# KiCad board ulx4m.kicad_pcb
title: ULX4M-LS; date: 2025-03-12; rev: v0.0.4; company: Intergalaktik d.o.o.; note: License: CERN-OHL-S v2
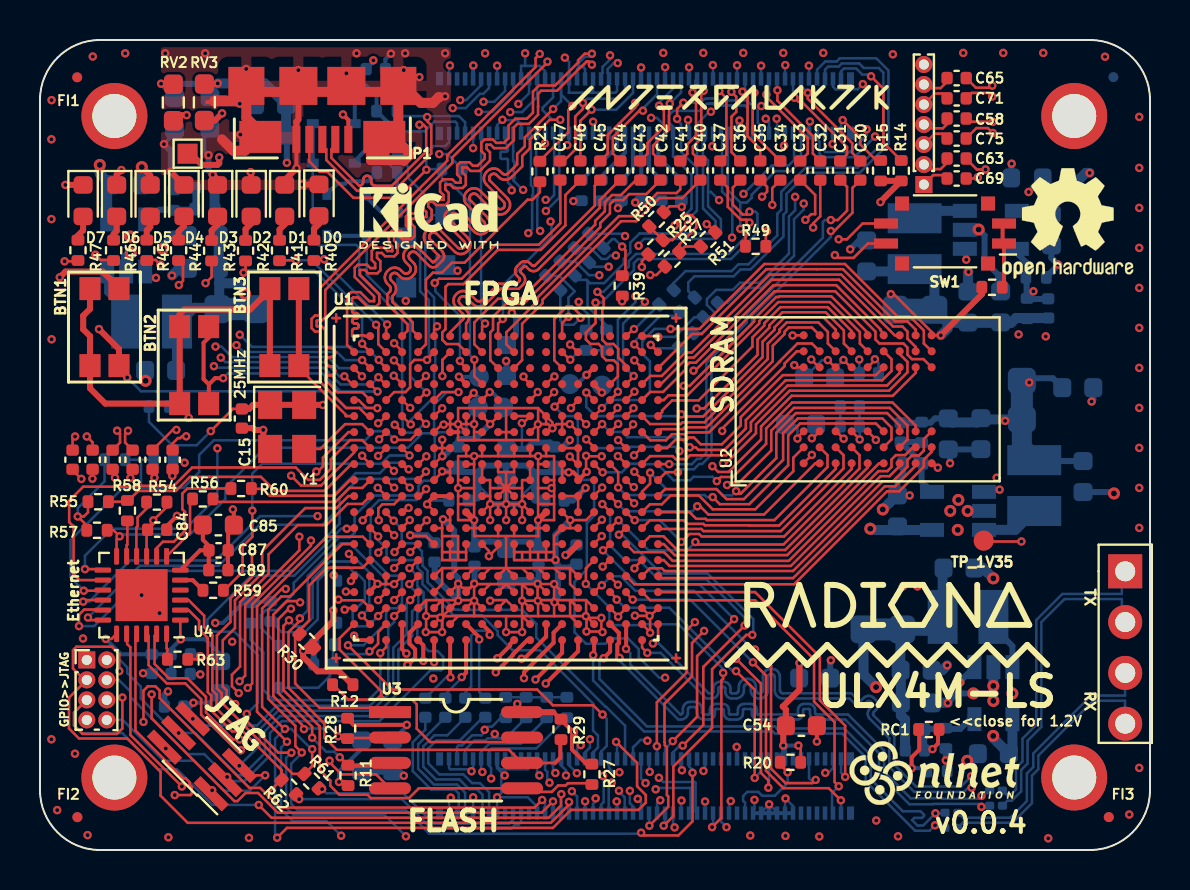
[diagram p0: board, top side]
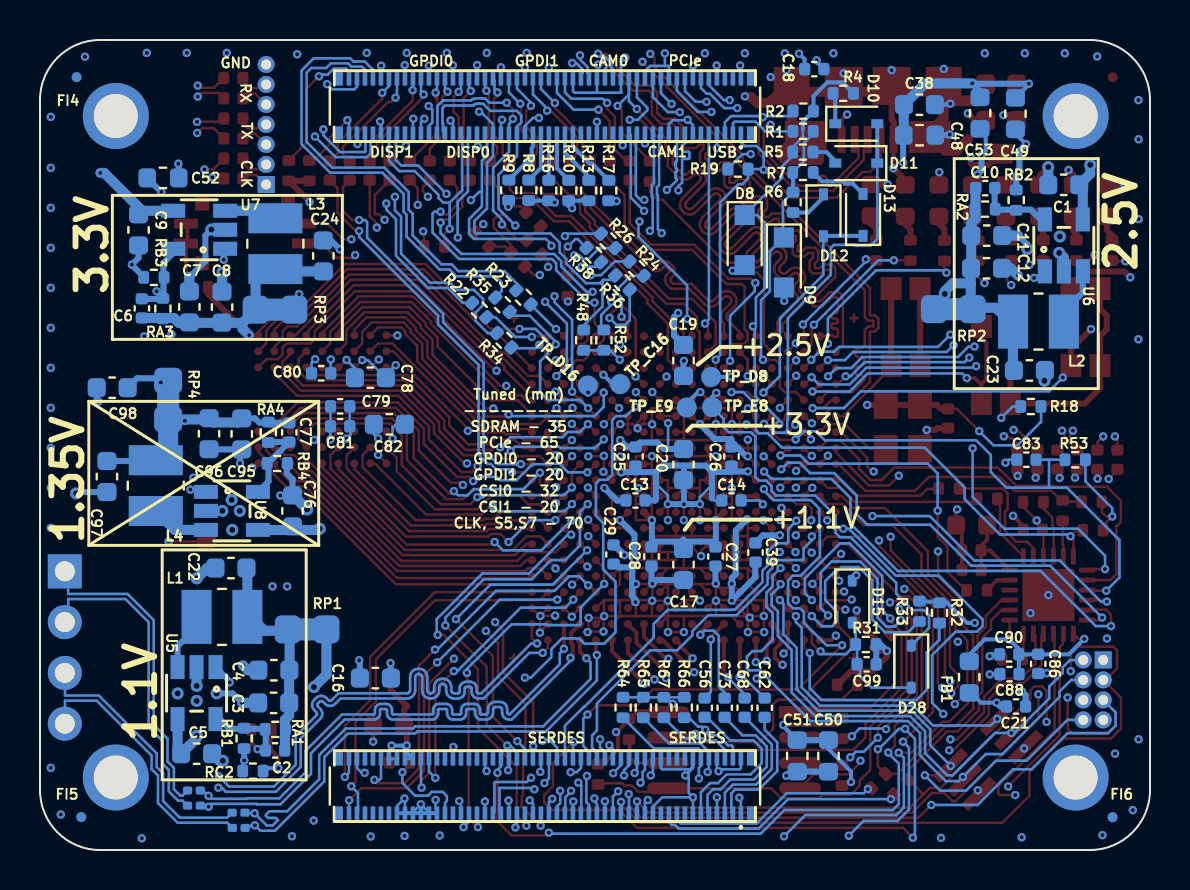
[diagram p1: board, bottom side, seen from below]

Outline 55.51 x 40.5 mm; copper layers: Top, GND1.Cu (plane), In2signal.Cu, POWER.Cu (plane), GND2.Cu (plane), Bottom. Coordinates in mm from the lower left corner of the outline.
Outline path: 0,37.5 arc(0.88,39.62) 3,40.5 52.51,40.5 arc(54.63,39.62) 55.51,37.5 55.51,3 arc(54.63,0.88) 52.51,0 3,0 arc(0.88,0.88) 0,3 0,37.5
Stack: Top 0.035mm / dielectric 0.274mm FR4 er 4.5 / GND1.Cu 0.035mm / dielectric 0.274mm FR4 er 4.5 / In2signal.Cu 0.035mm / dielectric 0.274mm FR4 er 4.5 / POWER.Cu 0.035mm / dielectric 0.274mm FR4 er 4.5 / GND2.Cu 0.035mm / dielectric 0.274mm FR4 er 4.5 / Bottom 0.035mm

## Placement (name value [footprint] x y rotation side)
1.1V_1  1.1V  [TestPoint_Pad_1.0x1.0mm]  7.38 34.81 0 top  (not fitted)
BTN1  SW_Push  [Switch_EVPAA]  3.23 26.14 90 top
BTN2  SW_Push  [Switch_EVPAA]  7.71 24.24 90 top
BTN3  SW_Push  [Switch_EVPAA]  12.22 26.14 90 top
C1  22uF  [C_0603_1608Metric]  4.32 33.26 0 bottom
C2  100pF  [C_0402_1005Metric]  43.75 4.98 0 bottom
C3  22uF  [C_0603_1608Metric]  43.83 7.35 0 bottom
C4  22uF  [C_0603_1608Metric]  43.81 8.99 0 bottom
C5  22uF  [C_0603_1608Metric]  47.68 4.81 180 bottom
C6  100pF  [C_0402_1005Metric]  50.41 27.08 90 bottom
C7  22uF  [C_0603_1608Metric]  48.04 27.15 90 bottom
C8  22uF  [C_0603_1608Metric]  46.41 27.14 90 bottom
C9  22uF  [C_0603_1608Metric]  50.58 31 270 bottom
C10  100pF  [C_0402_1005Metric]  8.24 33.09 180 bottom
C11  22uF  [C_0603_1608Metric]  8.17 30.72 180 bottom
C12  22uF  [C_0603_1608Metric]  8.18 29.08 180 bottom
C13  22nF  [C_0402_1005Metric]  25.73 17.47 180 bottom
C14  22nF  [C_0402_1005Metric]  20.93 17.47 0 bottom
C15  22nF  [C_0402_1005Metric]  10.1 21.57 270 top
C16  2.2uF  [C_0603_1608Metric]  38.74 8.59 0 bottom
C17  2.2uF  [C_0603_1608Metric]  23.33 14.27 270 bottom
C18  22nF  [C_0402_1005Metric]  16.79 39.04 0 bottom
C19  2.2uF  [C_0603_1608Metric]  23.33 24.47 90 bottom
C20  2.2uF  [C_0603_1608Metric]  23.33 19.27 270 bottom
C21  22nF  [C_0402_1005Metric]  6.7 7.17 180 bottom
C22  2.2uF  [C_0603_1608Metric]  45.96 14.1 0 bottom
C23  2.2uF  [C_0603_1608Metric]  6.03 23.98 180 bottom
C24  2.2uF  [C_0603_1608Metric]  41.34 29.7 90 bottom
C25  22nF  [C_0402_1005Metric]  25.73 19.67 270 bottom
C26  22nF  [C_0402_1005Metric]  20.93 19.67 270 bottom
C27  22nF  [C_0402_1005Metric]  21.73 14.67 270 bottom
C28  22nF  [C_0402_1005Metric]  24.93 14.67 270 bottom
C29  22nF  [C_0402_1005Metric]  26.83 14.77 270 bottom
C30  100n  [C_0402_1005Metric]  41.02 33.97 90 top
C31  100n  [C_0402_1005Metric]  40.02 33.97 90 top
C32  100n  [C_0402_1005Metric]  39.02 33.97 90 top
C33  100n  [C_0402_1005Metric]  38.02 33.97 90 top
C34  100n  [C_0402_1005Metric]  37.02 33.97 90 top
C35  100n  [C_0402_1005Metric]  36.02 33.97 90 top
C36  100n  [C_0402_1005Metric]  35.02 33.97 90 top
C37  100n  [C_0402_1005Metric]  34.02 33.97 90 top
C38  2.2uF  [C_0603_1608Metric]  11.53 37.26 180 bottom
C39  22nF  [C_0402_1005Metric]  19.73 14.87 270 bottom
C40  100n  [C_0402_1005Metric]  33.02 33.97 90 top
C41  100n  [C_0402_1005Metric]  32.02 33.97 90 top
C42  100n  [C_0402_1005Metric]  31.02 33.97 90 top
C43  100n  [C_0402_1005Metric]  30.02 33.97 90 top
C44  100n  [C_0402_1005Metric]  29.02 33.97 90 top
C45  100n  [C_0402_1005Metric]  28.02 33.97 90 top
C46  100n  [C_0402_1005Metric]  27.02 33.97 90 top
C47  100n  [C_0402_1005Metric]  26.02 33.97 90 top
C48  22nF  [C_0603_1608Metric]  11.53 35.74 180 bottom
C49  22nF  [C_0603_1608Metric]  6.73 36.81 270 bottom
C50  22nF  [C_0603_1608Metric]  16.08 4.7 270 bottom
C51  22nF  [C_0603_1608Metric]  17.64 4.7 270 bottom
C52  22nF  [C_0603_1608Metric]  49.36 33.6 0 bottom
C53  22nF  [C_0603_1608Metric]  8.5 36.84 270 bottom
C54  2.2uF  [C_0603_1608Metric]  38.08 6.21 0 top
C55  22n  [C_0402_1005Metric]  6.63 19.51 270 top
C56  22n  [C_0402_1005Metric]  22.27 7.11 90 bottom
C58  22n  [C_0402_1005Metric]  45.84 36.57 0 top
C59  22n  [C_0402_1005Metric]  2.63 19.51 270 top
C61  22n  [C_0402_1005Metric]  4.63 19.51 270 top
C62  22n  [C_0402_1005Metric]  19.27 7.11 90 bottom
C63  22n  [C_0402_1005Metric]  45.84 34.57 0 top
C65  22n  [C_0402_1005Metric]  45.84 38.59 0 top
C66  22n  [C_0402_1005Metric]  1.63 19.51 90 top
C67  22n  [C_0402_1005Metric]  3.63 19.51 90 top
C68  22n  [C_0402_1005Metric]  20.27 7.11 270 bottom
C69  22n  [C_0402_1005Metric]  45.84 33.57 180 top
C71  22n  [C_0402_1005Metric]  45.84 37.58 180 top
C72  22n  [C_0402_1005Metric]  5.63 19.51 90 top
C73  22n  [C_0402_1005Metric]  21.27 7.11 270 bottom
C75  22n  [C_0402_1005Metric]  45.84 35.57 180 top
C76  22uF  [C_0603_1608Metric]  42.88 16.95 90 bottom  (not fitted)
C77  100pF  [C_0402_1005Metric]  43.05 20.88 270 bottom  (not fitted)
C78  2.2uF  [C_0603_1608Metric]  38.99 23.61 0 bottom
C79  22nF  [C_0402_1005Metric]  40.5 22.18 180 bottom
C80  22nF  [C_0402_1005Metric]  41.45 23.83 180 bottom
C81  22nF  [C_0402_1005Metric]  40.5 21.18 180 bottom
C82  22nF  [C_0603_1608Metric]  38.04 21.28 180 bottom
C83  100n  [C_0402_1005Metric]  6.18 19.51 180 bottom
C84  100n  [C_0402_1005Metric]  5.86 16.01 0 top
C85  1u1R  [C_0603_1608Metric]  8.92 16.24 0 top
C86  10n  [C_0402_1005Metric]  5.59 9.3 270 bottom
C87  470p  [C_0402_1005Metric]  8.93 14.98 0 top
C88  22n  [C_0402_1005Metric]  7.03 8.79 0 bottom
C89  10n  [C_0402_1005Metric]  8.92 13.99 0 top
C90  100n  [C_0402_1005Metric]  7.04 9.78 0 bottom
C91  22n  [C_0201_0603Metric]  47.81 2.97 180 bottom  (not fitted)
C92  22n  [C_0201_0603Metric]  47.81 2.21 180 bottom  (not fitted)
C93  22n  [C_0201_0603Metric]  45.58 1.86 180 bottom  (not fitted)
C94  22n  [C_0201_0603Metric]  45.57 1.1 180 bottom  (not fitted)
C95  22uF  [C_0603_1608Metric]  45.42 20.8 270 bottom  (not fitted)
C96  22uF  [C_0603_1608Metric]  47.06 20.81 270 bottom  (not fitted)
C97  2.2uF  [C_0603_1608Metric]  52.16 18.67 270 bottom  (not fitted)
C98  2.2uF  [C_0603_1608Metric]  51.9 23.11 0 bottom  (not fitted)
C99  100n  [C_0402_1005Metric]  14.17 9.28 180 bottom
D0  RED  [LED_0603_1608Metric]  13.95 32.49 270 top
D1  ORANGE  [LED_0603_1608Metric]  12.24 32.46 270 top
D2  GREEN  [LED_0603_1608Metric]  10.56 32.46 270 top
D3  BLUE  [LED_0603_1608Metric]  8.88 32.46 270 top
D4  RED  [LED_0603_1608Metric]  7.2 32.46 270 top
D5  ORANGE  [LED_0603_1608Metric]  5.52 32.46 270 top
D6  GREEN  [LED_0603_1608Metric]  3.84 32.46 270 top
D7  BLUE  [LED_0603_1608Metric]  2.16 32.46 270 top
D8  3.6V  [D_SOD-323_HandSoldering]  20.27 30.49 270 bottom
D9  3.6V  [D_SOD-323_HandSoldering]  18.31 29.37 270 bottom
D10  1N914  [D_SOD-323]  14.69 36.31 180 bottom
D11  1N914  [D_SOD-323]  14.69 34.34 0 bottom
D12  1N914  [D_SOD-323]  16.33 31.73 270 bottom
D13  1N914  [D_SOD-323]  14.35 31.75 90 bottom
D15  1N914  [D_SOD-323#2]  14.89 12.41 270 bottom
D28  1N914  [D_SOD-323#2]  11.94 9.16 270 bottom
FB1  30R  [L_0603_1608Metric]  9.04 8.64 90 bottom
FI1  Fi  [Fiducial_0.5mm_Mask1mm]  1.86 38.63 0 top  (not fitted)
FI2  Fi  [Fiducial_0.5mm_Mask1mm]  1.87 1.64 0 top  (not fitted)
FI3  Fi  [Fiducial_0.5mm_Mask1mm]  53.45 1.64 0 top  (not fitted)
FI4  Fi  [Fiducial_0.5mm_Mask1mm]  53.68 38.64 0 bottom  (not fitted)
FI5  Fi  [Fiducial_0.5mm_Mask1mm]  53.45 1.64 0 bottom  (not fitted)
FI6  Fi  [Fiducial_0.5mm_Mask1mm]  1.87 1.63 0 bottom  (not fitted)
G***  LOGO  [nlnet]  44.73 3.84 0 top
G***#2  LOGO  [intergalaktik]  34.48 37.75 0 top
G***#3  LOGO  [kicad2_8mm]  19.4 31.34 0 top
H1  HOLE  [MountingHole_3.2mm_M3_ISO14580_Pad]  51.72 3.62 180 top  (not fitted)
H2  HOLE  [MountingHole_3.2mm_M3_ISO14580_Pad]  3.72 3.62 180 top  (not fitted)
H3  HOLE  [MountingHole_3.2mm_M3_ISO14580_Pad]  51.72 36.7 180 top  (not fitted)
H4  HOLE  [MountingHole_3.2mm_M3_ISO14580_Pad]  3.72 36.7 180 top  (not fitted)
J1  DF40C-100DP-0.4V(51)  [HRS_DF40C-100DP-0.4V(51)]  30.26 3.2 0 bottom
J2  DF40C-100DP-0.4V(51)  [HRS_DF40C-100DP-0.4V(51)]  30.26 37.2 0 bottom
J3  JTAG  [PinHeader_2x03_P1.00mm_Vertical_SMD]  8.1 4.68 135 top  (not fitted)
J4  Antenna  [PinHeader_1x04_P2.54mm_Vertical]  54.27 13.93 0 top  (not fitted)
J5  SerDes  [PinHeader_1x07_P1.00mm_Vertical]  44.2 33.27 180 top  (not fitted)
J6  GPIO>>JTAG  [PinHeader_2x04_P1.00mm_Vertical]  2.34 9.5 0 top  (not fitted)
L1  2.2uH  [L_1008_1210]  46.41 11.65 180 bottom
L2  2.2uH  [L_1008_1210]  5.58 26.42 0 bottom
L3  2.2uH  [L_1008_1210]  43.74 30.31 270 bottom
L4  2.2uH  [L_1008_1210]  49.72 18.22 90 bottom  (not fitted)
P1  USB_OTG  [USB-MICRO-B-FCI-10118192-0001LF]  14.12 38.2 180 top
R1  27R  [R_0402_1005Metric]  17.35 35.93 180 bottom
R2  27R  [R_0402_1005Metric]  17.34 36.94 180 bottom
R4  1k  [R_0402_1005Metric]  15.34 37.83 180 bottom
R5  15k  [R_0402_1005Metric]  17.36 34.89 0 bottom
R6  1k  [R_0402_1005Metric]  17.85 32.38 90 bottom
R7  15k  [R_0402_1005Metric]  17.36 33.88 0 bottom
R8  15k  [R_0402_1005Metric]  31.07 32.98 90 bottom
R9  15k  [R_0402_1005Metric]  32.07 32.98 90 bottom
R10  4k7  [R_0402_1005Metric]  29.07 32.97 90 bottom
R11  15k  [R_0402_1005Metric]  15.41 3.73 90 top
R12  15k  [R_0402_1005Metric]  15.14 8.26 180 top
R13  4k7  [R_0402_1005Metric]  28.07 32.97 90 bottom
R14  4k7  [R_0402_1005Metric]  43.07 33.96 90 top
R15  4k7  [R_0402_1005Metric]  42.04 33.96 90 top
R16  15k  [R_0402_1005Metric]  30.07 32.97 90 bottom
R17  15k  [R_0402_1005Metric]  27.07 32.97 90 bottom
R18  300  [R_0402_1005Metric]  5.96 22.17 180 bottom
R19  4k7  [R_0402_1005Metric]  20.61 34.04 0 bottom
R20  4k7  [R_0402_1005Metric]  37.53 4.38 0 top
R21  300  [R_0402_1005Metric]  25 33.92 270 top
R22  300  [R_0402_1005Metric]  33.54 26.99 225 bottom
R23  300  [R_0402_1005Metric]  31.33 27.63 225 bottom
R24  300  [R_0402_1005Metric]  25.67 29.06 225 bottom
R25  300  [R_0402_1005Metric]  30.79 30.13 225 top
R26  300  [R_0402_1005Metric]  27.1 30.45 225 bottom
R27  15k  [R_0402_1005Metric]  27.6 3.78 270 top
R28  15k  [R_0402_1005Metric]  15.38 6.08 270 top
R29  1k  [R_0402_1005Metric]  26.06 6.03 270 top
R30  4k7  [R_0402_1005Metric]  13.34 10.43 135 top
R31  15k  [R_0402_1005Metric]  14.21 10.27 0 bottom
R32  15k  [R_0402_1005Metric]  10.53 11.85 270 bottom
R33  15k  [R_0402_1005Metric]  11.53 11.93 270 bottom
R34  300  [R_0402_1005Metric]  32.3 25.48 45 bottom
R35  300  [R_0402_1005Metric]  32.38 27.26 45 bottom
R36  300  [R_0402_1005Metric]  26.38 28.36 45 bottom
R37  300  [R_0402_1005Metric]  31.61 29.53 45 top
R38  300  [R_0402_1005Metric]  27.82 29.74 45 bottom
R39  70  [R_0402_1005Metric]  29.12 28.2 270 top
R40  300  [R_0402_1005Metric]  13.7 29.98 90 top
R41  300  [R_0402_1005Metric]  11.98 29.97 90 top
R42  300  [R_0402_1005Metric]  10.28 29.96 90 top
R43  300  [R_0402_1005Metric]  8.59 29.96 90 top
R44  300  [R_0402_1005Metric]  6.93 29.98 90 top
R45  300  [R_0402_1005Metric]  5.34 29.98 90 top
R46  300  [R_0402_1005Metric]  3.68 29.98 90 top
R47  300  [R_0402_1005Metric]  1.9 29.98 90 top
R48  70  [R_0402_1005Metric]  28.32 25.49 270 bottom
R49  70  [R_0402_1005Metric]  35.79 30.18 0 top
R50  70  [R_0402_1005Metric]  30.83 31.53 45 top
R51  70  [R_0402_1005Metric]  33.41 30.53 45 top
R52  70  [R_0402_1005Metric]  27.31 25.49 270 bottom
R53  10K  [R_0402_1005Metric]  3.74 19.51 0 bottom
R54  10R  [R_0402_1005Metric]  5.84 17.39 0 top
R55  1K5  [R_0402_1005Metric]  2.91 17.41 0 top
R56  10R  [R_0402_1005Metric]  8.14 17.55 0 top
R57  1K5  [R_0402_1005Metric]  2.85 15.98 0 top
R58  10R  [R_0402_1005Metric]  4.37 16.96 270 top
R59  33R  [R_0402_1005Metric]  8.66 12.98 0 top
R60  10R  [R_0402_1005Metric]  10.06 18.07 0 top
R61  300  [R_0402_1005Metric]  13.58 3.44 135 top
R62  300  [R_0402_1005Metric]  12.44 3.14 135 top
R63  12K1  [R_0402_1005Metric]  6.88 9.53 0 top
R64  300  [R_0402_1005Metric]  26.35 7.12 90 bottom
R65  300  [R_0402_1005Metric]  25.34 7.12 90 bottom
R66  300  [R_0402_1005Metric]  23.29 7.12 90 bottom
R67  300  [R_0402_1005Metric]  24.31 7.12 90 bottom
R70  300  [R_0402_1005Metric]  47.61 28.13 0 top
RA1  15k  [R_0402_1005Metric]  43.74 6.03 0 bottom
RA2  15k  [R_0402_1005Metric]  8.25 32.04 180 bottom
RA3  15k  [R_0402_1005Metric]  49.37 27.07 90 bottom
RA4  15k  [R_0402_1005Metric]  44.09 20.88 270 bottom  (not fitted)
radiona  -  [radiona]  42.37 12.25 0 top
RB1  18k  [R_0402_1005Metric]  45.3 5.58 90 bottom
RB2  4k7  [R_0402_1005Metric]  6.69 32.49 270 bottom
RB3  3k3  [R_0402_1005Metric]  49.82 28.63 180 bottom
RB4  12k  [R_0402_1005Metric]  43.64 19.33 0 bottom  (not fitted)
RC1  *DNP  [R_0402_1005Metric]  44.45 6.02 0 top  (not fitted)
RC2  91k  [R_0402_1005Metric]  44.86 3.94 180 bottom
REF**  -  [OSHW-Logo2_7.3x6mm_SilkScreen]  51.4 31.33 0 top
RP1  0  [R_0805_2012Metric_Pad1.29x1.40mm_HandSolder_Jumper_NC]  42.15 11.03 180 bottom  (not fitted)
RP2  0  [R_0805_2012Metric_Pad1.29x1.40mm_HandSolder_Jumper_NC]  9.84 27.04 0 bottom  (not fitted)
RP3  0  [R_0805_2012Metric_Pad1.29x1.40mm_HandSolder_Jumper_NC]  43.76 27.01 180 bottom  (not fitted)
RP4  0  [R_0805_2012Metric_Pad1.29x1.40mm_HandSolder_Jumper_NC]  49.1 22.49 90 bottom  (not fitted)
RV2  0  [R_0603_1608Metric_Pad0.98x0.95mm_HandSolder]  6.67 37.37 90 top  (not fitted)
RV3  0  [R_0603_1608Metric_Pad0.98x0.95mm_HandSolder]  8.22 37.38 270 top
SW1  SW_DIP_x02  [SW_DIP_SPSTx02_Slide_Copal_CVS-02xB_W5.9mm_P1mm]  45.26 30.82 180 top
TP_1V35  1V35  [Testpoint_smd_1mm]  47.19 15.41 0 top  (not fitted)
TP_C16  C16  [Testpoint_smd_1mm]  26.5 23.35 0 bottom  (not fitted)
TP_D8  D8  [Testpoint_smd_1mm]  21.95 23.7 0 bottom  (not fitted)
TP_D16  D16  [Testpoint_smd_1mm]  28.11 23.28 0 bottom  (not fitted)
TP_E8  E8  [Testpoint_smd_1mm]  21.9 22.2 0 bottom  (not fitted)
TP_E9  E9  [Testpoint_smd_1mm]  23.17 22.17 0 bottom  (not fitted)
U1  LFE5U-85F-6BG381C  [BGA-381_pitch0.8mm_dia0.4mm]  23.31 18.09 0 top
U2  -  [IS42S16320D-6BLI]  41.39 22.53 90 top
U3  IS25LP128F-JBLE  [SOA008-150-208mil]  20.8 4.99 0 top
U4  LAN8720A  [QFN-24-1EP_4x4mm_P0.5mm_EP2.6x2.6mm]  5.08 12.74 180 top
U5  TLV62569DBV  [TSOT-25]  47.68 7.84 0 bottom
U6  TLV62569DBV  [TSOT-25]  4.31 30.23 180 bottom
U7  TLV62569DBV  [TSOT-25]  47.55 31.01 90 bottom
U8  TLV62569DBV  [TSOT-25]  45.91 16.95 270 bottom  (not fitted)
Y1  FNETHE025  [Crystal_SMD_TXC_7M-4Pin_3.2x2.5mm]  12.36 21.15 270 top

## Library data of the parts
1.1V_1 TP_1V35 TP_C16 TP_D8 TP_D16 TP_E8 TP_E9 = -: PLACE: DNP; ki_fp_filters: Pin* Test*
BTN1-BTN3 = -: Datasheet: https://www.mouser.in/datasheet/2/315/PANA_S_A0001791376_1-2560543.pdf; Mouser: https://www.mouser.in/ProductDetail/Panasonic/EVP-AA302K?qs=qvwOHSmaRMmnf4H35tvzww==; DigiKey: https://www.digikey.com/en/products/detail/panasonic-electronic-components/EVP-AA302K/2810555
C1 = -: MPN: CC0805ZKY5V5BB226; Mouser: 81-GRM21BR61A226ME1L; Mouse_r2: 81-GRM21BR61A226ME1K; Mouse_r3: 81-GRM219R61C226ME5L; Mouse_r4: 81-GRM188C60J226ME0J; Mouse_r5: 963-LMK212BBJ226MG-T; Digikey: 1276-2413-1-ND; Digike_y2: 1276-2412-1-ND; Newark: 08P5169; LCSC: C29277; Koncar: FC004; ki_fp_filters: C_*
C2 = -: MNF1_URL: www.yageo.com; MPN: CS0603KRX7R9BB471; Mouser: 581-06035A101JAT4A; Mouse_r1: 710-885012206081; Mouse_r2: 603-CS0603KRX79BB471; Mouse_r3: 603-CC603JRNPO9BN101; Mouse_r4: 603-CC603KRX7R9BB471; Digikey: 311-4078-1-ND; Digike_y2: 399-9086-1-ND; Newark: 38K9273; LCSC: C14665; LCS_C2: C22396; Koncar: FC006; ki_fp_filters: C_*
C3 C4 C6-C8 C10-C12 C16 C17 C19 C20 C22-C24 C30-C37 C40-C47 C55 C56 C58 C59 C61-C63 C65-C69 C71-C73 C75 C78 C83-C90 C99 = -: ki_fp_filters: C_*
C5 C9 = -: MPN: CC0805ZKY5V5BB226; ki_fp_filters: C_*
C13-C15 C18 C21 C26 C29 C39 C48-C53 C79-C82 = -: MPN: CX0603MRX7R8BB223; ki_fp_filters: C_*
C25 = -: MPN: CC0603JRX7R8BB223; Mouser: 603-CC603KRX7R7BB223; Mouse_r1: 603-CC603JRX7R8BB223; Mouse_r2: 603-AC603KRX7R7BB223; Mouse_r3: 710-885012206091; price1500_Mouser: 35.7$; Digikey: 587-1238-1-ND; Digike_y2: 1276-2000-1-ND; Newark: 82AC9346; LCSC: C107137; Koncar: FC003; ki_fp_filters: C_*
C27 C28 = -: MNF1_URL: www.yageo.com; MPN: CX0603MRX7R8BB223; ki_fp_filters: C_*
C38 = -: MPN: CC0805MRX5R6BB225; ki_fp_filters: C_*
C54 = -: MNF1_URL: www.yageo.com; MPN: CC0805MRX5R6BB225; ki_fp_filters: C_*
C76 = -: MPN: CC0805ZKY5V5BB226; PLACE: DNP; ki_fp_filters: C_*
C77 C91-C98 = -: PLACE: DNP; ki_fp_filters: C_*
D0 D4 = -: Datasheet: https://optoelectronics.liteon.com/upload/download/DS-22-99-0150/LTST-C170KRKT.pdf; MNF1_URL: www.liteon.com; MPN: LTST-C170KRKT; Mouser: 859-LTST-C170KRKT; Mouse_r1: 859-LTST-C171KRKT; Mouse_r2: 743-IN-S85ATR; Mouse_r3: 645-598-8110-107F; Digikey: 160-1415-1-ND; Newark: 75R0581; Newar_k2: 61AC0090; LCSC: C94868; price400_LCSC: 0.0195$; Koncar: FV007; Side: TB; ki_fp_filters: LED* LED_SMD:* LED_THT:*
D1 D5 = -: Datasheet: https://optoelectronics.liteon.com/upload/download/DS-22-99-0185/LTST-C170KFKT.pdf; MNF1_URL: www.liteon.com; MPN: LTST-C170KFKT; Mouser: 859-LTST-C170KFKT; Mouse_r1: 859-LTST-C171KFKT; Mouse_r3: 645-598-8130-107F; Digikey: 160-1413-1-ND; Newark: 75R0583; Newar_k2: 61AC0088; LCSC: C284931; price200_LCSC: 0.02075$; LowCost: LTST-C170KRKT; Koncar: FV006; Side: T; ki_fp_filters: LED* LED_SMD:* LED_THT:*
D2 D6 = -: Datasheet: http://optoelectronics.liteon.com/upload/download/DS22-2000-073/LTST-C170KGKT.pdf; MNF1_URL: www.liteon.com; MPN: LTST-C170TGKT; Mouser: 859-LTST-C170TGKT; Digikey: 160-1887-1-ND; Newark: 75R0588; LCSC: C364562; TME: LTST-C170TGKT; price300_TME: 0.0789$; LowCost: LTST-C170KRKT; Koncar: FV005; Side: T; ki_fp_filters: LED* LED_SMD:* LED_THT:*
D3 D7 = -: Datasheet: http://optoelectronics.liteon.com/upload/download/DS-22-99-0226/LTST-C170TBKT.pdf; MNF1_URL: www.liteon.com; MPN: LTST-C170TBKT; Datasheet2: http://optoelectronics.liteon.com/upload/download/ds22-2000-233/ltst-c171tbkt(0630).pdf; MP_N2: LTST-C171TBKT; Datasheet3: https://www.rohm.com/datasheet/SML-M13UT; MP_N3: SMLMN2BCTT86C; Mouser: 859-LTST-C170TBKT; Mouse_r1: 593-LSM0805463V; Mouse_r2: 755-SMLMN2BCTT86C; Mouse_r3: 859-LTST-C171TBKT; Digikey: 160-1579-1-ND; Newark: 94T2911; Newar_k2: 19J8850; LCSC: C375453; price300_LCSC: 0.02930$; LowCost: LTST-C170KRKT; Koncar: FV004; Side: T; ki_fp_filters: LED* LED_SMD:* LED_THT:*
D8 D9 = -: Datasheet: http://www.taiwansemi.com/products/datasheet/BZT52C2V4S%20SERIES_H1709.pdf; MNF1_URL: www.taiwansemi.com; MPN: BZT52C3V6S; Mouser: 833-BZT52C3V6S-TP; ki_fp_filters: TO-???* *_Diode_* *SingleDiode* D_*
D10-D13 D15 = -: ki_fp_filters: TO-???* *_Diode_* *SingleDiode* D_*
D28 = -: Note: Leave empty; EMPTY_MPN: MMDL914T1G; Mouse_r: 863-MMDL914T1G; Digike_y: 1N4148WXTPMSCT-ND; Koncar: FV001; ki_fp_filters: TO-???* *_Diode_* *SingleDiode* D_*
FB1 = -: ki_fp_filters: Inductor_* L_* *Ferrite*
FI1-FI6 = -: PLACE: DNP; ki_fp_filters: Fiducial*
H1-H3 J4 J5 = -: PLACE: DNP; ki_fp_filters: Connector*:*_1x??_*
H4 = -: Note: Leave empty; PLACE: DNP; ki_fp_filters: Connector*:*_1x??_*
J1 J2 = -: MAXIMUM_PACKAGE_HEIGHT: 1.29mm; MANUFACTURER: Hirose Electric; PARTREV: 02/2020; STANDARD: Manufacturer Recommendations
J3 J6 = -: PLACE: DNP; ki_fp_filters: Connector*:*_2x??_*
L1 = -: Datasheet: http://psearch.en.murata.com/inductor/product/DFE252012PD-2R2M%23.pdf; MFG1: Murata; MNF1_URL: www.murata.com; MPN: DFE322512F-2R2M=P2; MFG2: Murata; MNF2_URL: www.murata.com; MP_N2: DFE252012P-2R2M=P2; MFG3: Bourns; MNF3_URL: www.bourns.com; MP_N3: SRP2512A-2R2M; MFG4: Chilisin Elec; MP_N4: HEI322512A-2R2M-Q8; MP_N5: 81-LQH32PB2R2NN0L; Mouser: 81-DFE322512F-2R2MP2; Mouse_r1: 710-74479299222; Mouse_r2: 810-TFM322512ALMA2R2; Mouse_r3: 81-DFE322520FD2R2MP2; Digikey: 445-TFM322512ALMA2R2MTAACT-ND; Digike_y1: 490-18405-1-ND; Digike_y2: 490-10649-1-ND; Newark: 57AC6667; Vertical: DFE322512F-2R2M=P2; price300_Vertical: 0.48360$; LCSC: C285758; LCS_C2: C285914; price300_LCSC: 0.1082$; DatasheetLC: https://datasheet.octopart.com/LQH32PB2R2NN0L-Murata-datasheet-20916646.pdf; LowCost: 81-DFE252012P-2R2MP2; Koncar: FL001; ki_fp_filters: Choke_* *Coil* Inductor_* L_*
L2 L3 = -: Datasheet: http://psearch.en.murata.com/inductor/product/DFE252012PD-2R2M%23.pdf; ki_fp_filters: Choke_* *Coil* Inductor_* L_*
L4 = -: Datasheet: http://psearch.en.murata.com/inductor/product/DFE252012PD-2R2M%23.pdf; PLACE: DNP; ki_fp_filters: Choke_* *Coil* Inductor_* L_*
P1 = -: ki_fp_filters: USB*
R1 R2 R4-R10 R12-R29 R31-R60 R63 R70 RA2 RA3 = -: ki_fp_filters: R_*
R11 = -: MNF1_URL: www.yageo.com; MPN: RC0603FR-0710KL; Mouser: 603-RC0603FR-0710KL; Digikey: 311-10KLMCT-ND; Newark: 94X1379; LCSC: C15401; Koncar: FR013; ki_fp_filters: R_*
R30 = -: MNF1_URL: www.yageo.com; MPN: AC0603FR-104K7L; ki_fp_filters: R_*
R61 R62 = -: Manufacturer: BOURNS; MPN: CR0402-FX-1001GLF
R64-R67 = -: Manufacturer: BOURNS; MPN: CR0402-FX-1001GLF; Val: 75
RA1 = -: MNF1_URL: www.yageo.com; MPN: RC0603FR-1015KL; ki_fp_filters: R_*
RA4 = -: PLACE: DNP; ki_fp_filters: R_*
RB1 RC2 = -: MNF1_URL: www.yageo.com; MPN: RC0603FR-1018KL; Mouser: 71-CRCW060318K0FKEAC; Digikey: 311-18.0KHRCT-ND; Newark: 94X1474; LCSC: C425614; Koncar: FR006; ki_fp_filters: R_*
RB2 = -: MPN: AC0603FR-104K7L; ki_fp_filters: R_*
RB3 = -: MNF1_URL: www.yageo.com; MPN: RT0603FRE073K3L; Mouser: 603-RC0603FR-073K3L; Mouse_r2: 603-RC0603FR-103K3L; Digikey: YAG3605CT-ND; Newark: 94X1577; LCSC: C425629; Koncar: FR009; ki_fp_filters: R_*
RB4 = -: MNF1_URL: www.yageo.com; MPN: RT0603FRE073K3L; Mouser: 603-RC0603FR-073K3L; Mouse_r2: 603-RC0603FR-103K3L; Digikey: YAG3605CT-ND; Newark: 94X1577; LCSC: C425629; Koncar: FR009; PLACE: DNP; ki_fp_filters: R_*
RC1 = -: MNF1_URL: www.yageo.com; MPN: RC0603FR-1018KL; Mouser: 71-CRCW060318K0FKEAC; Digikey: 311-18.0KHRCT-ND; Newark: 94X1474; LCSC: C425614; Koncar: FR006; PLACE: DNP; ki_fp_filters: R_*
RP1 = -: Mouser_URL: www.mouser.com; MNF1_URL: www.yageo.com; EMPTY_MPN: RC0805JR-070RL; Mouse_r1: 71-RCG08050000Z0EA; Mouse_r2: 603-RC0805JR-070RL; Mouse_r3: 652-CR0805-J/-000ELF; Digike_y1: YAG1327CT-ND; Note: Leave empty; PLACE: DNP; ki_fp_filters: SolderJumper*Bridged* Jumper* TestPoint*2Pads* TestPoint*Bridge*
RP2-RP4 = -: Note: Leave empty; PLACE: DNP; ki_fp_filters: SolderJumper*Bridged* Jumper* TestPoint*2Pads* TestPoint*Bridge*
RV2 = -: MNF1_URL: www.yageo.com; EMPTY_MPN: RC0805JR-070RL; Note: Leave empty; PLACE: DNP; ki_fp_filters: SolderJumper*Open* Jumper* TestPoint*2Pads* TestPoint*Bridge*
RV3 = -: MNF1_URL: www.yageo.com; MPN: RC0805JR-070RL; Mouser: 71-RCG08050000Z0EA; Digikey: YAG1327CT-ND; Newark: 74AC1409; LCSC: C112378; Koncar: FR014; Side: T; ki_fp_filters: SolderJumper*Bridged* Jumper* TestPoint*2Pads* TestPoint*Bridge*
SW1 = -: ki_fp_filters: SW?DIP?x2*
U1 = -: Datasheet: http://www.latticesemi.com/~/media/LatticeSemi/Documents/DataSheets/ECP5/FPGA-DS-02012.pdf; MNF1_URL: www.latticesemi.com; Mouser_URL: www.mouser.com; MFG1: Lattice; MFG2: Lattice; MNF2_URL: www.latticesemi.com; MP_N2: LFE5U-12F-6BG381C; Mouser: 842-LFE5U85F6BG381C; price100_Mouse: 22.82$; Digikey: 220-2177-ND; Digike_y2: 220-2071-ND; LCSC: C446029; LowCost: 842-LFE5U12F6BG381C; Koncar: FU004; Side: T; ki_fp_filters: BGA381
U3 = -: Datasheet: http://www.issi.com/WW/pdf/25LP-WP128F.pdf; MNF1_URL: www.issi.com; MNF2_URL: www.issi.com; Datasheet2: http://www.issi.com/WW/pdf/25LP-WP032D.pdf; MPN2: IS25LP032D-JNLE-TR; MNF3_URL: www.issi.com; MPN3: IS25LP032D-JNLA3; Dtasheet4: https://www.winbond.com/resource-files/w25q128jv%20spi%20revc%2011162016.pdf; MNF4_URL: www.winbond.com; MPN4: W25Q128JVSIM; Mouser: 727-S25FL128LAMFV013; Mouse_r2: 454-W25Q128JVSIMTR; Mouse_r3: 454-W25Q128JVSIQTR; Digikey: W25Q128JVSIQCT-ND; Digike_y2: IS25LP128F-JBLE-ND; Digike_y3: 706-1607-1-ND; Newark: 38AC3510; LCSC: C113767; price100_LCSC: 0.7796$; LowCost: 870-IS25LP032DJBLETR; Koncar: FU003; ki_fp_filters: DIP*W7.62mm* SOIC*3.9x4.9mm* TSSOP*4.4x3mm*P0.65mm*
U4 = -: Datasheet: http://ww1.microchip.com/downloads/en/DeviceDoc/8720a.pdf; ki_fp_filters: QFN*1EP*4x4mm*P0.5mm*
U5 = -: Datasheet: http://www.ti.com/lit/ds/symlink/tlv62569.pdf; MFG1: TI; MNF1_URL: www.ti.com; MPN: TLV62569DBVR; MFG2: DIOO; MNF2_URL: www.dioo.com; MPN2: DIO6015BCST5; Mouse_r1: 595-TLV62569DBVR; Mouser: 595-TLV62569DBVT; Mouse_r3: 453-DIO6015BCST5; Mouse_r4: 595-TLV62565DBVR; Digikey: 296-47360-1-ND; Newark: 54AH1585; LCSC: C141836; price100_LCSC: 0.1843$; DatasheetLC: http://www.dioo.com/attachments/files/20161031180022_361.pdf; LowCost: 453-DIO6015BCST5; Koncar: FU009; ki_fp_filters: TSOT25
U6 U7 = -: Datasheet: http://www.ti.com/lit/ds/symlink/tlv62569.pdf; MNF1_URL: www.ti.com; MPN: TLV62569DBVR; Mouser: 595-TLV62569DBVR; ki_fp_filters: TSOT25
U8 = -: Datasheet: http://www.ti.com/lit/ds/symlink/tlv62569.pdf; MNF1_URL: www.ti.com; MPN: TLV62569DBVR; Mouser: 595-TLV62569DBVR; PLACE: DNP; ki_fp_filters: TSOT25
Y1 = -: Datasheet: https://www.diodes.com/assets/Datasheets/FNETHE025.pdf; MNF1_URL: www.diodes.com; MPN2: SiT8008BC-81-33E-25.000000X; MNF3_URL: https://datasheet.lcsc.com/szlcsc/1912111437_Shenzhen-SCTF-Elec-S7D25-000000D20F30T_C387026.pdf; MPN3: S7D25.000000D20F30T; Mouser: 729-FNETHE025; Mouse_r2: 788-8008BC8133E25X; Digikey: FNETHE025CT-ND; Newark: 80AC8624; LCSC: C390569; price100_Digikey: 0.7942$; Koncar: FQ001; Side: T; ki_fp_filters: Crystal*